# KiCad board MasterController.kicad_pcb (continued)
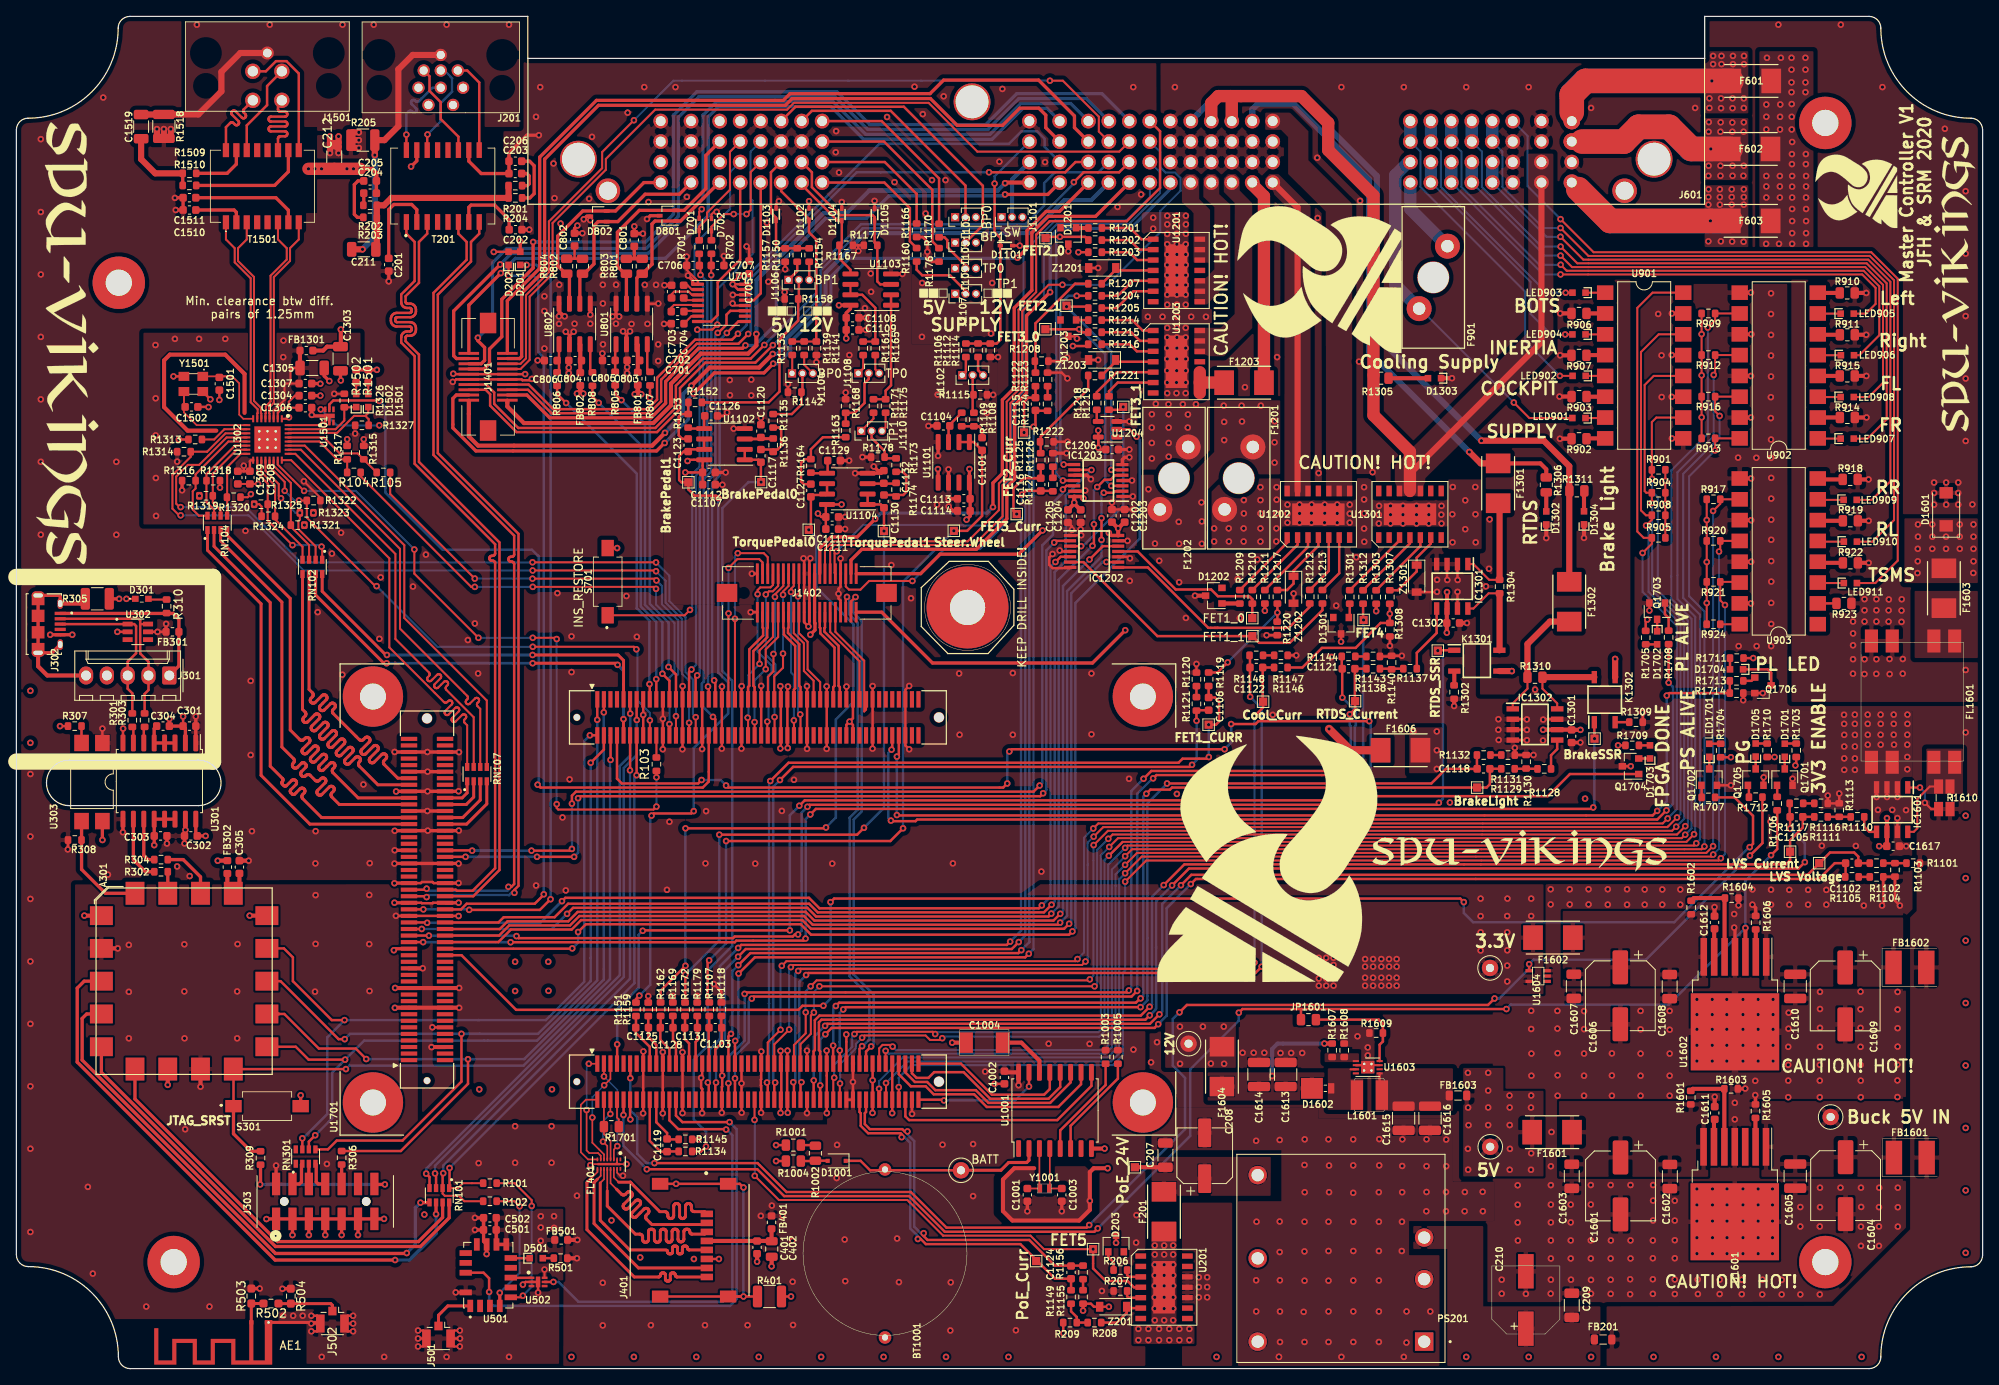
[diagram p0: board, top side]
## Footprints (pads in the part's own frame, mm; a bottom-side part is the same pattern mirrored in y, then rotated) (continued)
Wurth_7490120110
  rect 0.64x1.91 smd: 1(-4.445,-4.385) 2(-3.175,-4.385) 3(-1.905,-4.385) 4(-0.635,-4.385) 5(0.635,-4.385) 6(1.905,-4.385) 7(3.175,-4.385) 8(4.445,-4.385) 9(4.445,4.385) 10(3.175,4.385) 11(1.905,4.385) 12(0.635,4.385) 13(-0.635,4.385) 14(-1.905,4.385) 15(-3.175,4.385) 16(-4.445,4.385)
Wurth_78279223560
  rect 2x4.1 smd: 1(-2,0) 2(2,0)
Wurth_LQS_4018
  rect 1.5x3.6 smd: 1(-1.525,0) 2(1.525,0)
Wurth_WR-WTB_61900519521_1x05_P2.54mm_Vertical
  rrect 1.74x2.2 hole 1.2: 1(0,0)
  oval 1.74x2.2 hole 1.2: 2(2.54,0) 3(5.08,0) 4(7.62,0) 5(10.16,0)

## Nets
+3V3: A301.2 A301.8 C302.2 C303.2 C705.2 C1002.2 C1107.1 C1108.1 C1109.1 C1110.1 C1111.1 C1112.2 C1113.1 C1114.1 C1202.2 C1203.2 C1204.2 C1205.2 C1206.2 C1303.2 D201.2 D202.2 F1602.2 FB302.2 FB401.1 FB501.1 FB801.1 FB802.1 FB1301.1 FL401.15 IC1202.14 IC1203.14 J303.2 J1401.9 J1401.10 R207.2 R501.1 R901.1 R904.1 R905.1 R908.1 R909.1 R912.1 R913.1 R916.1 R917.1 R920.1 R921.1 R924.1 R1003.2 R1005.1 R1203.2 R1211.2 R1216.2 R1303.2 R1501.1 R1502.2 R1703.1 R1704.1 R1705.1 R1710.1 R1711.1 S701.2 TP1603.1 U301.12 U301.13 U301.14 U301.16 U303.4 U701.15 U701.16 U1001.16 U1101.5 U1101.8 U1102.8 U1103.8 U1104.8 U1204.5 U1501.6 U1604.5 U1701.JX1.78 U1701.JX1.79 U1701.JX1.80 U1701.JX2.78 U1701.JX2.79 U1701.JX2.80 U1701.JX2.98 U1701.JX3.45 U1701.JX3.46
+5V: C1301.1 C1302.1 C1617.2 F1601.2 F1606.1 FB1603.1 IC1301.6 IC1302.6 IC1601.6 J1402.23 J1402.24 R1001.1 R1709.1 TP1602.1 U1701.JX1.57 U1701.JX1.58 U1701.JX1.59 U1701.JX1.60 U1701.JX2.12 U1701.JX2.57 U1701.JX2.58 U1701.JX2.59 U1701.JX2.60
+5V_Sensor: F1606.2 J601.3-E4 J1101.1 J1103.1 J1105.1 J1107.1 J1109.1
+12V: F1604.2 J1101.3 J1103.3 J1105.3 J1107.3 J1109.3 J1402.39 J1402.40 TP1604.1
+24V: F201.2 U201.Cool.Tab
/Bluetooth/3V3_BT: C501.1 C502.2 FB501.2 U501.10 U501.11 U502.6
/Driverless/VDDA: C1305.2 C1307.1 C1308.1 C1309.1 FB1301.2 R1314.1 R1316.1 R1322.1 R1326.1 R1327.1 U1302.3 U1302.17
/JTAG_UART Module/VBUS_DETECT: A301.18 R308.1 U303.3
/Liveview/24V_PoE: C204.1 C205.1 C212.1 J201.1 J201.7 T201.15 U201.10 U201.11 U201.12
/Liveview/Vin_24V_PoE: C209.1 C210.1 FB201.1 PS201.3
/PowerSupply/3V3_EN: JP1601.1 R1706.2 U1602.3 U1701.JX2.10
GND: A301.1 A301.7 A301.14 AE1.2 BT1001.2 C201.1 C202.1 C203.1 C206.1 C207.2 C208.2 C209.2 C210.2 C212.2 C302.1 C303.1 C305.2 C401.2 C402.2 C501.2 C502.1 C701.2 C703.2 C705.1 C706.2 C707.2 C801.2 C802.2 C803.2 C804.2 C805.1 C806.1 C1001.2 C1002.1 C1003.1 C1004.2 C1104.2 C1107.2 C1108.2 C1109.2 C1110.2 C1111.2 C1112.1 C1113.2 C1114.2 C1120.2 C1126.2 C1129.2 C1132.2 C1202.1 C1203.1 C1204.1 C1205.1 C1206.1 C1301.2 C1302.2 C1303.1 C1304.1 C1305.1 C1306.1 C1307.2 C1308.2 C1309.2 C1501.2 C1502.2 C1510.2 C1511.2 C1601.2 C1602.2 C1603.2 C1604.2 C1605.2 C1606.2 C1607.2 C1608.2 C1609.2 C1610.2 C1611.2 C1612.2 C1613.2 C1614.2 C1615.2 C1616.2 C1617.1 D203.3 D701.2 D702.2 D801.3 D802.3 D1101.2 D1102.2 D1103.2 D1104.2 D1105.2 D1201.3 D1202.3 D1203.3 D1301.3 FL401.2 FL401.17 FL1601.6 FL1601.7 IC1202.1 IC1202.4 IC1202.7 IC1202.10 IC1202.13 IC1203.1 IC1203.4 IC1203.7 IC1203.10 IC1203.13 IC1301.2 IC1301.3 IC1301.4 IC1301.7 IC1302.2 IC1302.3 IC1302.4 IC1302.7 IC1601.2 IC1601.3 IC1601.4 IC1601.7 J201.2 J201.3 J303.1 J303.3 J303.5 J303.7 J303.9 J303.11 J303.13 J401.6 J501.2 J502.2 J601.2-M4 J601.3-B3 J601.3-C3 J601.3-D4 J601.3-G3 J601.3-G4 J601.3-H3 J601.3-H4 J1401.11 J1401.12 J1402.1 J1402.2 J1402.19 J1402.20 J1402.21 J1402.22 J1402.33 J1402.34 PS201.2 PS201.6 Q1701.2 Q1702.2 Q1703.2 Q1704.3 Q1705.2 Q1706.2 R205.2 R209.2 R308.2 R401.1 R503.2 R504.2 R1004.1 R1103.1 R1104.2 R1113.1 R1114.1 R1115.1 R1116.2 R1118.2 R1120.2 R1123.2 R1126.2 R1130.1 R1131.2 R1140.1 R1141.1 R1142.1 R1143.2 R1145.2 R1147.2 R1155.2 R1157.1 R1158.1 R1159.2 R1166.2 R1167.1 R1168.1 R1169.2 R1176.2 R1177.1 R1178.1 R1179.2 R1208.2 R1220.2 R1222.2 R1302.2 R1308.2 R1309.2 R1313.2 R1315.1 R1317.1 R1318.1 R1319.1 R1320.1 R1321.1 R1323.1 R1324.1 R1325.1 R1518.1 R1603.2 R1604.2 R1605.2 R1606.2 R1608.2 R1609.2 R1714.1 S301.2 T201.10 U301.9 U301.15 U501.12 U501.17 U502.2 U502.7 U701.1 U701.12 U701.14 U801.2 U801.5 U801.8 U802.2 U802.5 U802.8 U901.9 U901.11 U901.13 U901.15 U902.9 U902.11 U902.13 U902.15 U903.9 U903.11 U903.13 U903.15 U1001.8 U1101.4 U1101.6 U1102.4 U1103.4 U1104.4 U1204.3 U1302.1 U1302.33 U1501.2 U1501.7 U1601.4 U1601.8 U1602.4 U1602.8 U1603.2 U1603.7 U1603.9 U1604.2 U1604.3 U1701.JX1.15 U1701.JX1.16 U1701.JX1.21 U1701.JX1.22 U1701.JX1.27 U1701.JX1.28 U1701.JX1.33 U1701.JX1.34 U1701.JX1.39 U1701.JX1.40 U1701.JX1.45 U1701.JX1.46 U1701.JX1.51 U1701.JX1.52 U1701.JX1.65 U1701.JX1.66 U1701.JX1.71 U1701.JX1.72 U1701.JX1.77 U1701.JX1.85 U1701.JX1.86 U1701.JX1.95 U1701.JX1.96 U1701.JX2.15 U1701.JX2.16 U1701.JX2.21 U1701.JX2.22 U1701.JX2.27 U1701.JX2.28 U1701.JX2.33 U1701.JX2.34 U1701.JX2.39 U1701.JX2.40 U1701.JX2.45 U1701.JX2.46 U1701.JX2.51 U1701.JX2.52 U1701.JX2.65 U1701.JX2.66 U1701.JX2.71 U1701.JX2.72 U1701.JX2.77 U1701.JX2.85 U1701.JX2.86 U1701.JX2.91 U1701.JX2.92 U1701.JX3.6 U1701.JX3.12 U1701.JX3.17 U1701.JX3.18 U1701.JX3.23 U1701.JX3.24 U1701.JX3.29 U1701.JX3.35 U1701.JX3.49 U1701.JX3.50 U1701.JX3.55 U1701.JX3.56 U1701.JX3.61 U1701.JX3.62 U1701.JX3.65 U1701.JX3.71 U1701.JX3.72 U1701.JX3.77 U1701.JX3.78 U1701.JX3.83 U1701.JX3.84 U1701.JX3.89 U1701.JX3.90 U1701.JX3.95 U1701.JX3.96 Y1501.2 Y1501.4 Z201.2 Z1201.2 Z1202.2 Z1203.2 Z1301.2
GND-1: C1519.2 J1501.5 R1518.2
GND-2: C211.2 J201.9 R205.1
GND-3: J301.5 J302.S1 R305.2
GND-4: J401.S R401.2
GND-LV_Unfiltered: D1302.1 D1303.1 D1304.1 D1601.2 FL1601.4 FL1601.5 J601.1-F2 J601.1-F3 J601.1-F4 J601.1-G1 J601.1-G2 J601.1-H3 J601.2-A2 J601.2-A3 J601.2-B2 J601.2-B3 J601.2-C2 J601.2-C3 J601.2-D2 J601.2-D3 J601.2-E2 J601.2-E3 J601.2-F2 J601.2-F3 J601.2-F4 R902.2 R903.2 R906.2 R907.2 R910.2 R911.2 R914.2 R915.2 R918.2 R919.2 R922.2 R923.2
GND-USB: C301.2 C304.2 D301.1 J301.4 J302.5 R305.1 R307.1 U301.2 U301.8 U302.2
VBUS: C301.1 FB301.2 U301.1 U302.5 U303.1
+BATT: BT1001.1 D1001.1 TP1001.1 U1001.2
/Actuator/Cool_V_Out: J601.1-G3 J601.1-G4 J601.2-C4 J601.2-D4 R1305.1 U1301.10 U1301.11 U1301.12
/Bluetooth/BT_CONN: J502.1 R502.1 R504.1
/Bluetooth/BT_IFA: AE1.1 R502.2 R503.1
/Bluetooth/RXD: R101.2 U501.5
/Bluetooth/TXD: R102.2 U501.4
/Brake_V: IC1302.5 R1128.2
/CAN_Interface/CAN0_D: R806.1 U1701.JX1.17
/CAN_Interface/CAN0_H: D802.2 J601.3-H1 J601.3-H2 R804.1 U802.7
/CAN_Interface/CAN0_L: D802.1 J601.3-G1 J601.3-G2 R802.1 U802.6
/CAN_Interface/CAN0_R: R808.2 U1701.JX1.19
/CAN_Interface/CAN1_D: R805.1 U1701.JX1.23
/CAN_Interface/CAN1_H: D801.2 J601.3-F3 J601.3-F4 R803.1 U801.7
/CAN_Interface/CAN1_L: D801.1 J601.3-F1 J601.3-F2 R801.1 U801.6
/CAN_Interface/CAN1_R: R807.2 U1701.JX1.25
/CMC/AMS_Supply: J601.2-A1 U1202.12 U1202.13 U1202.14
/CMC/BP0_Sig: D1102.1 J601.3-C1 R1133.2 R1139.2 R1141.2
/CMC/BP0_Supply: J601.3-B4 J1103.2
/CMC/BP1_Sig: D1103.1 J601.3-C2 R1150.2 R1154.2 R1157.2
/CMC/BP1_Supply: J601.3-C4 J1105.2
/CMC/BrakeLight_Supply: F1302.1 J601.2-E4 R1311.1
/CMC/INS_RESTORE: J601.3-D3 S701.1
/CMC/INS_RS232RX: J601.3-E1 U701.8
/CMC/INS_RS232TX: J601.3-D1 U701.13
/CMC/INS_SYNC_I: J601.3-E2 U1701.JX1.29
/CMC/INS_SYNC_O: D701.1 J601.3-E3 R701.2
/CMC/INV12_Supply: J601.2-E1 U1201.12 U1201.13 U1201.14
/CMC/INV34_Supply: J601.2-C1 U1203.12 U1203.13 U1203.14
/CMC/RTDS_Supply: F1301.1 J601.2-B4 R1306.1
/CMC/SC0_I: F901.1 J601.1-A4
/CMC/SC1_I: J601.1-A1 J601.1-A2 LED902.2
/CMC/SC1_O: F901.2 J601.1-A3 LED901.2
/CMC/SC2_I: J601.1-B1 J601.1-B2 LED903.2
/CMC/SC3_I: J601.1-B3 J601.1-B4 LED904.2
/CMC/SC4_I: J601.1-C3 J601.1-C4 LED905.2
/CMC/SC5_I: J601.1-C1 J601.1-C2 LED906.2
/CMC/SC6_I: J601.1-D1 J601.1-D2 LED907.2
/CMC/SC7_I: J601.1-D3 J601.1-D4 LED908.2
/CMC/SC8_I: J601.1-E3 J601.1-E4 LED909.2
/CMC/SC10_I: J601.1-F1 LED911.2
/CMC/SC10_O: J601.1-E1 J601.1-E2 LED910.2
/CMC/SW_Sig: D1101.1 J601.2-M3 R1106.2 R1112.2 R1114.2
/CMC/SW_Supply: J601.2-M2 J1101.2
/CMC/TP0_Ground: J601.3-A2 R1166.1
/CMC/TP0_Sig: D1104.1 J601.3-B1 R1167.2 U1103.5
/CMC/TP0_Supply: J601.3-A1 R1160.1
/CMC/TP1_Ground: J601.3-A3 R1176.1
/CMC/TP1_Sig: D1105.1 J601.3-B2 R1177.2 U1103.3
/CMC/TP1_Supply: J601.3-A4 R1170.1
/CMC/TSC_Supply: J601.2-D1 U1201.8 U1201.9 U1201.10
/CMC_EXP1: J601.2-L4 J1401.1
/CMC_EXP2: J601.2-K3 J1401.2
/CMC_EXP3: J601.2-K4 J1401.3
/CMC_EXP4: J601.2-L3 J1401.4
/CMC_EXP5: J601.2-J4 J1401.5
/CMC_EXP6: J601.2-J3 J1401.6
/CMC_EXP7: J601.2-H4 J1401.7
/CMC_EXP8: J601.2-H3 J1401.8
/CMC_EXP9: J601.2-J2 J1401.13
/CMC_EXP10: J601.2-L2 J1401.14
/CMC_EXP11: J601.2-H2 J1401.15
/CMC_EXP12: J601.2-K2 J1401.16
/CMC_EXP13: J601.2-K1 J1401.17
/CMC_EXP14: J601.2-L1 J1401.18
/CMC_EXP15: J601.2-J1 J1401.19
/CMC_EXP16: J601.2-M1 J1401.20
/CMC_EXP17: J601.2-H1 J1402.26
/CMC_EXP18: J601.2-G4 J1402.28
/CMC_EXP19: J601.2-G3 J1402.30
/CMC_EXP20: J601.2-G1 J1402.32
/CMC_EXP21: J601.2-G2 J1402.36
/CMC_EXP22: J601.2-F1 J1402.38
/Cool_V: R1146.2 R1307.2 R1308.1
/Driverless/COL: R104.1 R1317.2 U1302.28
/Driverless/CRS: R105.1 R1315.2 U1302.29
/Driverless/ETH1_RX+: J1501.2 T1501.16
/Driverless/ETH1_RX-: J1501.4 T1501.14
/Driverless/ETH1_TX+: J1501.1 T1501.11
/Driverless/ETH1_TX-: J1501.3 T1501.9
/Driverless/LED1: D1501.1 R1327.2 U1302.30
/Driverless/LED2: D1502.1 R1326.2 U1302.31
/Driverless/RST: U1302.32 U1501.1
/Driverless/RX_CLK: R1324.2 RN102.4 U1302.19
/Driverless/RX_DV: R1325.2 RN102.1 U1302.18
/Driverless/RX_ER: R1323.2 RN102.2 U1302.20
/Driverless/RXD0: R1320.2 RN104.5 U1302.16
/Driverless/RXD1: R1319.2 RN104.6 U1302.15
/Driverless/RXD2: R1318.2 RN104.7 U1302.14
/Driverless/RXD3: R1316.2 RN104.8 U1302.13
/Driverless/RXN: T1501.3 U1302.6
/Driverless/RXP: T1501.1 U1302.7
/Driverless/TX_CLK: R1321.2 RN102.3 U1302.22
/Driverless/TX_EN: R103.1 U1302.23
/Driverless/TXD0: RN107.8 U1302.24
/Driverless/TXD1: RN107.7 U1302.25
/Driverless/TXD2: RN107.6 U1302.26
/Driverless/TXD3: RN107.5 U1302.27
/Driverless/TXN: T1501.8 U1302.4
/Driverless/TXP: T1501.6 U1302.5
/Driverless/XI: C1502.1 U1302.9 Y1501.3
/Driverless/XO: C1501.1 U1302.8 Y1501.1
/EEPROM/SCK_NVSRAM: U1001.11 U1701.JX2.95
/EEPROM/SI_NVSRAM: U1001.12 U1701.JX2.97
/EEPROM/SO_NVSRAM: U1001.13 U1701.JX2.99
/INS/GPS_PPS: D702.1 J601.3-D2 R702.2
/JTAG_UART Module/D+: J301.3 J302.3 R301.2 U302.1
/JTAG_UART Module/D-: J301.2 J302.2 R303.2 U302.6
/JTAG_UART Module/DD+: R302.2 U301.10
/JTAG_UART Module/DD-: R304.2 U301.11
/JTAG_UART Module/JTAG_SRST: A301.9 R309.1 S301.1 U1701.JX1.6
/JTAG_UART Module/JTAG_TCK: A301.10 RN301.6 U1701.JX1.1
/JTAG_UART Module/JTAG_TDI: A301.12 RN301.5 U1701.JX1.4
/JTAG_UART Module/JTAG_TDO: A301.11 R306.2 U1701.JX1.3
/JTAG_UART Module/JTAG_TMS: A301.13 RN301.7 U1701.JX1.2
/JTAG_UART Module/UART_CTS: A301.3 RN101.6
/JTAG_UART Module/UART_RTS: A301.4 RN101.5
/JTAG_UART Module/UART_RXD: A301.5 RN101.8
/JTAG_UART Module/UART_TXD: A301.6 RN101.7
/JTAG_UART Module/UD+: R301.1 U301.7
/JTAG_UART Module/UD-: R303.1 U301.6
/JTAG_UART Module/USB_D_N: A301.16 R304.1
/JTAG_UART Module/USB_D_P: A301.17 R302.1
/JTAG_UART Module/VB: FB301.1 J301.1 J302.1 R310.1
/Liveview/ETH0_RX_N: J201.8 T201.16
/Liveview/ETH0_RX_P: J201.5 T201.14
/Liveview/ETH0_TX_N: J201.4 T201.11
/Liveview/ETH0_TX_P: J201.6 T201.9
/Liveview/Vo_24V_PoE: C207.1 C208.1 F201.1 PS201.4 TP201.1
/LVSC_V: IC1601.5 R1110.2
/PicoZed/AMS_FET_In: IC1202.5 U1701.JX3.43
/PicoZed/Brake_SSR_In: K1302.1 TP1303.1 U1701.JX3.37
/PicoZed/BT_ConfigSel: U501.16 U1701.JX2.26
/PicoZed/BT_Reset: U502.5 U1701.JX2.24
/PicoZed/Cool_FET_In: R1312.2 TP1302.1 U1701.JX2.7
/PicoZed/DASH_AMS_SEL: IC1202.9 U1701.JX3.38
/PicoZed/Dash_FET_In: IC1202.12 U1701.JX3.42
/PicoZed/ETH0_PHY_LED0: D201.1 U1701.JX3.47
/PicoZed/ETH0_PHY_LED1: D202.1 U1701.JX3.48
/PicoZed/ETH0_PHY_MD1N: T201.6 U1701.JX3.53
/PicoZed/ETH0_PHY_MD1P: T201.8 U1701.JX3.51
/PicoZed/ETH0_PHY_MD2N: T201.1 U1701.JX3.54
/PicoZed/ETH0_PHY_MD2P: T201.3 U1701.JX3.52
/PicoZed/ETH1_COL: R104.2 U1701.JX1.24
/PicoZed/ETH1_CRS: R105.2 U1701.JX1.26
/PicoZed/ETH1_INT: R1322.2 U1302.21 U1701.JX1.18
/PicoZed/ETH1_MDC: U1302.12 U1701.JX1.32
/PicoZed/ETH1_MDIO: R1314.2 U1302.11 U1701.JX1.30
/PicoZed/ETH1_PHY_RST: U1501.5 U1701.JX1.36
/PicoZed/ETH1_RX_CLK: RN102.5 U1701.JX3.85
/PicoZed/ETH1_RX_DV: RN102.8 U1701.JX1.9
/PicoZed/ETH1_RX_ER: RN102.7 U1701.JX1.10
/PicoZed/ETH1_RXD0: RN104.4 U1701.JX3.81
/PicoZed/ETH1_RXD1: RN104.3 U1701.JX3.79
/PicoZed/ETH1_RXD2: RN104.2 U1701.JX3.75
/PicoZed/ETH1_RXD3: RN104.1 U1701.JX3.73
/PicoZed/ETH1_TX_CLK: RN102.6 U1701.JX3.87
/PicoZed/ETH1_TX_EN: R103.2 U1701.JX1.20
/PicoZed/ETH1_TXD0: RN107.1 U1701.JX3.82
/PicoZed/ETH1_TXD1: RN107.2 U1701.JX3.80
/PicoZed/ETH1_TXD2: RN107.3 U1701.JX3.76
/PicoZed/ETH1_TXD3: RN107.4 U1701.JX3.74
/PicoZed/FPGA_DONE: Q1704.1 U1701.JX1.8
/PicoZed/INS_PPS: C707.1 R702.1 U1701.JX1.38
/PicoZed/INS_SYNC_O: C706.1 R701.1 U1701.JX1.31
/PicoZed/INV12_FET_In: IC1203.5 U1701.JX3.41
/PicoZed/INV34_FET_In: IC1203.2 U1701.JX3.40
/PicoZed/NVSRAM_HSB: U1001.9 U1701.JX2.96
/PicoZed/NVSRAM_INT: U1001.15 U1701.JX2.100
/PicoZed/PL_ALIVE: R1708.2 U1701.JX1.92
/PicoZed/PL_LED: R1713.2 R1714.2 U1701.JX1.94
/PicoZed/PoE_FET_In: TP202.1 U201.4 U1701.JX2.50
/PicoZed/PS_ALIVE: R1707.2 U1701.JX3.34
/PicoZed/RTDS_SSR_In: K1301.1 TP1301.1 U1701.JX3.39
/PicoZed/SNET_FET_In: IC1202.2 U1701.JX3.64
/PicoZed/SNET_INV34_SEL: U1204.2 U1701.JX3.36
/PicoZed/SPI0_CS0: U1001.10 U1701.JX2.93
/PicoZed/TSC_FET_In: IC1203.12 U1701.JX3.66
/PicoZed/TSC_INV12_SEL: IC1203.9 U1701.JX3.44
/PicoZed/UART0_CTS: RN101.4 U1701.JX1.11
/PicoZed/UART0_RTS: RN101.3 U1701.JX1.13
/PicoZed/UART0_RXD: R102.1 RN101.2 U1701.JX1.12
/PicoZed/UART0_TXD: R101.1 RN101.1 U1701.JX1.14
/PicoZed/UART1_RXD: U701.9 U1701.JX1.37
/PicoZed/UART1_TXD: U701.11 U1701.JX1.35
/PicoZed/XADC_AUX0_N: C1125.2 R1159.1 U1701.JX2.19
/PicoZed/XADC_AUX0_P: C1125.1 R1151.1 U1701.JX2.17
/PicoZed/XADC_AUX1_N: C1128.2 R1169.1 U1701.JX2.25
/PicoZed/XADC_AUX1_P: C1128.1 R1162.1 U1701.JX2.23
/PicoZed/XADC_AUX2_N: C1116.2 R1127.1 U1701.JX2.38
/PicoZed/XADC_AUX2_P: C1116.1 R1125.1 TP1106.1 U1701.JX2.36
/PicoZed/XADC_AUX3_N: C1103.2 R1118.1 U1701.JX2.37
/PicoZed/XADC_AUX3_P: C1103.1 R1107.1 U1701.JX2.35
/PicoZed/XADC_AUX4_N: C1106.2 R1121.1 U1701.JX2.56
/PicoZed/XADC_AUX4_P: C1106.1 R1119.1 TP1104.1 U1701.JX2.54
/PicoZed/XADC_AUX5_N: C1102.2 R1105.1 U1701.JX2.70
/PicoZed/XADC_AUX5_P: C1102.1 R1102.1 TP1101.1 U1701.JX2.68
/PicoZed/XADC_AUX6_N: C1118.2 R1132.1 U1701.JX2.75
/PicoZed/XADC_AUX6_P: C1118.1 R1129.1 TP1107.1 U1701.JX2.73
/PicoZed/XADC_AUX7_N: C1124.2 R1156.1 U1701.JX2.84
/PicoZed/XADC_AUX7_P: C1124.1 R1149.1 TP1111.1 U1701.JX2.82
/PicoZed/XADC_AUX8_N: C1119.2 R1145.1 U1701.JX2.20
/PicoZed/XADC_AUX8_P: C1119.1 R1134.1 U1701.JX2.18
/PicoZed/XADC_AUX9_N: C1131.2 R1179.1 U1701.JX2.31
/PicoZed/XADC_AUX9_P: C1131.1 R1172.1 U1701.JX2.29
/PicoZed/XADC_AUX10_N: C1115.2 R1124.1 U1701.JX2.43
/PicoZed/XADC_AUX10_P: C1115.1 R1122.1 TP1105.1 U1701.JX2.41
/PicoZed/XADC_AUX11_N: C1121.2 R1144.1 U1701.JX2.44
/PicoZed/XADC_AUX11_P: C1121.1 R1138.1 TP1109.1 U1701.JX2.42
/PicoZed/XADC_AUX12_N: C1122.2 R1148.1 U1701.JX2.64
/PicoZed/XADC_AUX12_P: C1122.1 R1146.1 TP1110.1 U1701.JX2.62
/PicoZed/XADC_AUX13_N: C1105.2 R1117.1 U1701.JX2.69
/PicoZed/XADC_AUX13_P: C1105.1 R1111.1 TP1103.1 U1701.JX2.67
/PicoZed/~{SC_BOTS}: R905.2 U901.16 U1701.JX2.53
/PicoZed/~{SC_Cockpit}: R904.2 U901.12 U1701.JX2.61
/PicoZed/~{SC_FL}: R916.2 U902.14 U1701.JX2.87
/PicoZed/~{SC_FR}: R913.2 U902.16 U1701.JX2.89
/PicoZed/~{SC_Inertia}: R908.2 U901.14 U1701.JX2.55
/PicoZed/~{SC_Left}: R909.2 U902.10 U1701.JX2.74
/PL_1N: J1402.5 U1701.JX1.49
/PL_1P: J1402.3 U1701.JX1.47
/PL_2: J1402.7 U1701.JX1.48
/PL_3: J1402.9 U1701.JX1.50
/PL_4N: J1402.13 U1701.JX1.63
/PL_4P: J1402.11 U1701.JX1.61
/PL_5: J1402.15 U1701.JX1.67
/PL_6: J1402.17 U1701.JX1.69
/PL_7N: J1402.27 U1701.JX1.75
/PL_7P: J1402.25 U1701.JX1.73
/PL_8: J1402.29 U1701.JX1.81
/PL_9: J1402.31 U1701.JX1.83
/PL_10N: J1402.37 U1701.JX2.83
/PL_10P: J1402.35 U1701.JX2.81
/PL_11: J1402.4 U1701.JX1.41
/PL_12: J1402.6 U1701.JX1.43
/PL_13: J1402.8 U1701.JX1.54
/PL_14: J1402.10 U1701.JX1.56
/PL_15: J1402.12 U1701.JX1.53
/PL_16: J1402.14 U1701.JX1.55
/PL_17: J1402.16 U1701.JX1.62
/PL_18: J1402.18 U1701.JX1.64
/PoE_V: R208.2 R209.1 R1149.2
/PowerDistribution/Dash_V_Out: J601.2-A4 U1202.8 U1202.9 U1202.10
/PowerDistribution/DashAMSC_V: R1119.2 R1217.2 R1220.1
/PowerDistribution/FET1DSEL: IC1202.8 R1212.2
/PowerDistribution/FET1IN0: IC1202.11 R1210.2 TP1203.1
/PowerDistribution/FET1IN1: IC1202.6 R1213.2 TP1204.1
/PowerDistribution/FET2DSEL: IC1203.8 R1204.2
/PowerDistribution/FET2IN0: IC1203.11 R1202.2 TP1201.1
/PowerDistribution/FET2IN1: IC1203.6 R1205.2 TP1202.1
/PowerDistribution/FET3DSEL: R1218.2 U1204.4
/PowerDistribution/FET3IN0: IC1203.3 R1215.2 TP1205.1
/PowerDistribution/FET3IN1: IC1202.3 R1219.2 TP1206.1
/PowerDistribution/NetINV34C_V: R1125.2 R1221.2 R1222.1
/PowerDistribution/SNet_V_Out: F1203.2 J601.2-B1
/PowerDistribution/TSCINV12C_V: R1122.2 R1207.2 R1208.1
/PowerSupply/Boost_12V_in: C1615.1 C1616.1 FB1603.2 L1601.1 U1603.5
/PowerSupply/Boost_12V_out: C1613.1 C1614.1 D1602.1 F1604.1 R1607.1
/PowerSupply/Boost_SW: D1602.2 L1601.2 U1603.3
/PowerSupply/Buck_3V3_in: C1609.1 C1610.1 FB1602.1 U1602.1
/PowerSupply/Buck_3V3_out: C1606.1 C1607.1 C1608.1 F1602.1 R1602.1 U1602.7
/PowerSupply/Buck_5V_in: C1604.1 C1605.1 FB1601.1 TP1601.1 U1601.1
/PowerSupply/Buck_5V_out: C1601.1 C1602.1 C1603.1 F1601.1 R1601.1 U1601.7
/PowerSupply/CHOKE_IN: F1603.2 FL1601.1 FL1601.2
/PowerSupply/PG_MODULE: R1712.2 U1604.4 U1701.JX2.11
/RTDS_V: IC1301.5 R1137.2
/SC_monitoring/~{SC_Mon_Right}: R912.2 U902.12 U1701.JX2.76
/SC_monitoring/~{SC_Mon_RL}: R920.2 U903.12 U1701.JX2.90
/SC_monitoring/~{SC_Mon_RR}: R917.2 U903.10 U1701.JX2.88
/SC_monitoring/~{SC_Mon_Supply}: R901.2 U901.10 U1701.JX2.63
/SC_monitoring/~{SC_Mon_TSMS}: R921.2 U903.14 U1701.JX2.94
/Storage/CD_DATA3: FL401.4 R1701.1 U1701.JX2.4
/Storage/CLK: FL401.6 U1701.JX2.5
/Storage/CMD: FL401.5 U1701.JX2.6
/Storage/DATA0: FL401.7 U1701.JX2.1
/Storage/DATA1: FL401.8 U1701.JX2.2
/Storage/DATA2: FL401.3 U1701.JX2.3
CHOKE_OUT: FL1601.9 FL1601.10 IC1601.8 R1610.3 R1610.4
LV: FB201.2 FB1601.2 FB1602.2 IC1601.1 R1101.2 R1610.1 R1610.2
LV_Fused_10A: F1201.1 U1202.Cool.Tab U1301.Cool.Tab
LV_Fused_15A: F1202.1 U1201.Cool.Tab U1203.Cool.Tab
LV_Unfiltered: D1601.1 F601.1 F602.1 F603.1 F1201.2 F1202.2 F1603.1 K1301.3 K1302.3
Net-(A301-Pad15): A301.15 C305.1 FB302.1
Net-(C201-Pad2): C201.2 T201.2
Net-(C202-Pad2): C202.2 T201.7
Net-(C203-Pad2): C203.2 R201.1
Net-(C204-Pad2): C204.2 R202.1
Net-(C205-Pad2): C205.2 R203.1
Net-(C206-Pad2): C206.2 R204.1
Net-(C211-Pad1): C211.1 R201.2 R202.2 R203.2 R204.2
Net-(C304-Pad1): C304.1 U301.3 U301.4 U301.5
Net-(C401-Pad1): C401.1 C402.1 FB401.2 J401.4
Net-(C701-Pad1): C701.1 U701.7
Net-(C702-Pad1): C702.1 U701.6
Net-(C702-Pad2): C702.2 U701.5
Net-(C703-Pad1): C703.1 U701.3
Net-(C704-Pad1): C704.1 U701.4
Net-(C704-Pad2): C704.2 U701.2
Net-(C801-Pad1): C801.1 R801.2 R803.2
Net-(C802-Pad1): C802.1 R802.2 R804.2
Net-(C803-Pad1): C803.1 FB801.2 U801.3
Net-(C804-Pad1): C804.1 FB802.2 U802.3
Net-(C805-Pad2): C805.2 R805.2 U801.1
Net-(C806-Pad2): C806.2 R806.2 U802.1
Net-(C1001-Pad1): C1001.1 U1001.3 Y1001.1
Net-(C1003-Pad2): C1003.2 U1001.4 Y1001.2
Net-(C1004-Pad1): C1004.1 U1001.14
Net-(C1101-Pad1): C1101.1 R1107.2 TP1102.1 U1101.1 U1101.2
Net-(C1101-Pad2): C1101.2 R1108.1 R1109.2
Net-(C1104-Pad1): C1104.1 R1109.1 U1101.3
Net-(C1117-Pad1): C1117.1 R1134.2 TP1108.1 U1102.1 U1102.2
Net-(C1117-Pad2): C1117.2 R1135.1 R1136.2
Net-(C1120-Pad1): C1120.1 R1136.1 U1102.3
Net-(C1123-Pad1): C1123.1 R1151.2 TP1112.1 U1102.6 U1102.7
Net-(C1123-Pad2): C1123.2 R1152.1 R1153.2
Net-(C1126-Pad1): C1126.1 R1153.1 U1102.5
Net-(C1127-Pad1): C1127.1 R1162.2 TP1113.1 U1104.6 U1104.7
Net-(C1127-Pad2): C1127.2 R1163.1 R1164.2
Net-(C1129-Pad1): C1129.1 R1164.1 U1104.5
Net-(C1130-Pad1): C1130.1 R1172.2 TP1114.1 U1104.1 U1104.2
Net-(C1130-Pad2): C1130.2 R1173.1 R1174.2
Net-(C1132-Pad1): C1132.1 R1174.1 U1104.3
Net-(C1304-Pad2): C1304.2 C1306.2 U1302.2
Net-(C1510-Pad1): C1510.1 T1501.2
Net-(C1511-Pad1): C1511.1 T1501.7
Net-(C1519-Pad1): C1519.1 R1509.2 R1510.2
Net-(C1611-Pad1): C1611.1 U1601.6
Net-(C1612-Pad1): C1612.1 U1602.6
Net-(D203-Pad1): D203.1 R206.2
Net-(D203-Pad2): D203.2
Net-(D301-Pad2): D301.2 R310.2
Net-(D501-Pad1): D501.1 U501.9
Net-(D501-Pad2): D501.2 R501.2
Net-(D1001-Pad2): D1001.2 R1002.1 R1004.2
Net-(D1201-Pad1): D1201.1 R1201.2
Net-(D1201-Pad2): D1201.2
Net-(D1202-Pad1): D1202.1 R1209.2
Net-(D1202-Pad2): D1202.2
Net-(D1203-Pad1): D1203.1 R1214.2
Net-(D1203-Pad2): D1203.2
Net-(D1301-Pad1): D1301.1 R1301.2
Net-(D1301-Pad2): D1301.2
Net-(D1302-Pad2): D1302.2 R1306.2
Net-(D1303-Pad2): D1303.2 R1305.2
Net-(D1304-Pad2): D1304.2 R1311.2
Net-(D1501-Pad2): D1501.2 R1502.1
Net-(D1502-Pad2): D1502.2 R1501.2
Net-(D1701-Pad1): D1701.1 Q1701.3
Net-(D1701-Pad2): D1701.2 R1703.2
Net-(D1702-Pad1): D1702.1 Q1703.3
Net-(D1702-Pad2): D1702.2 R1705.2
Net-(D1703-Pad1): D1703.1 Q1704.2
Net-(D1703-Pad2): D1703.2 R1709.2
Net-(D1704-Pad1): D1704.1 Q1706.3
Net-(D1704-Pad2): D1704.2 R1711.2
Net-(D1705-Pad1): D1705.1 Q1705.3
Net-(D1705-Pad2): D1705.2 R1710.2
Net-(F601-Pad2): F601.2 J601.1-H1
Net-(F602-Pad2): F602.2 J601.1-H2
Net-(F603-Pad2): F603.2 J601.1-H4
Net-(F1203-Pad1): F1203.1 U1203.8 U1203.9 U1203.10
Net-(F1301-Pad2): F1301.2 IC1301.1 R1304.2
Net-(F1302-Pad2): F1302.2 IC1302.1 R1310.2
Net-(FL401-Pad1): FL401.1
Net-(FL401-Pad9): FL401.9 J401.8
Net-(FL401-Pad10): FL401.10 J401.7
Net-(FL401-Pad11): FL401.11 J401.5
Net-(FL401-Pad12): FL401.12 J401.3
Net-(FL401-Pad13): FL401.13 J401.2
Net-(FL401-Pad14): FL401.14 J401.1
Net-(FL401-Pad16): FL401.16
Net-(IC1301-Pad8): IC1301.8 K1301.4 R1304.1
Net-(IC1302-Pad8): IC1302.8 K1302.4 R1310.1
Net-(J302-Pad4): J302.4
Net-(J303-Pad4): J303.4 RN301.2
Net-(J303-Pad6): J303.6 RN301.3
Net-(J303-Pad8): J303.8 RN301.4
Net-(J303-Pad10): J303.10 R306.1
Net-(J303-Pad12): J303.12
Net-(J303-Pad14): J303.14 R309.2
Net-(J501-Pad1): J501.1 U501.1
Net-(J1102-Pad1): J1102.1 R1106.1
Net-(J1102-Pad2): J1102.2 R1108.2 R1115.2
Net-(J1102-Pad3): J1102.3 R1112.1
Net-(J1104-Pad1): J1104.1 R1133.1
Net-(J1104-Pad2): J1104.2 R1135.2 R1142.2
Net-(J1104-Pad3): J1104.3 R1139.1
Net-(J1106-Pad1): J1106.1 R1150.1
Net-(J1106-Pad2): J1106.2 R1152.2 R1158.2
Net-(J1106-Pad3): J1106.3 R1154.1
Net-(J1107-Pad2): J1107.2 R1160.2
Net-(J1108-Pad1): J1108.1 R1161.1
Net-(J1108-Pad2): J1108.2 R1163.2 R1168.2
Net-(J1108-Pad3): J1108.3 R1165.1
Net-(J1109-Pad2): J1109.2 R1170.2
Net-(J1110-Pad1): J1110.1 R1171.1
Net-(J1110-Pad2): J1110.2 R1173.2 R1178.2
Net-(J1110-Pad3): J1110.3 R1175.1
Net-(J1401-PadMP1): J1401.MP1
Net-(J1401-PadMP2): J1401.MP2
Net-(J1402-PadMP1): J1402.MP1
Net-(J1402-PadMP2): J1402.MP2
Net-(JP1601-Pad2): JP1601.2 R1609.1 U1603.8
Net-(K1301-Pad2): K1301.2 R1302.1
Net-(K1302-Pad2): K1302.2 R1309.1
Net-(LED901-Pad1): LED901.1 U901.7
Net-(LED902-Pad1): LED902.1 U901.5
Net-(LED903-Pad1): LED903.1 U901.1
Net-(LED904-Pad1): LED904.1 U901.3
Net-(LED905-Pad1): LED905.1 U902.7
Net-(LED906-Pad1): LED906.1 U902.5
Net-(LED907-Pad1): LED907.1 U902.1
Net-(LED908-Pad1): LED908.1 U902.3
Net-(LED909-Pad1): LED909.1 U903.7
Net-(LED910-Pad1): LED910.1 U903.5
Net-(LED911-Pad1): LED911.1 U903.3
Net-(LED1701-Pad1): LED1701.1 Q1702.3
Net-(LED1701-Pad2): LED1701.2 R1704.2
Net-(PS201-Pad1): PS201.1
Net-(PS201-Pad5): PS201.5
Net-(Q1701-Pad1): Q1701.1 R1706.1
Net-(Q1702-Pad1): Q1702.1 R1707.1
Net-(Q1703-Pad1): Q1703.1 R1708.1
Net-(Q1705-Pad1): Q1705.1 R1712.1
Net-(Q1706-Pad1): Q1706.1 R1713.1
Net-(R206-Pad1): R206.1 U201.3
Net-(R207-Pad1): R207.1 U201.5
Net-(R208-Pad1): R208.1 U201.6 Z201.1
Net-(R307-Pad2): R307.2 U303.2
Net-(R807-Pad1): R807.1 U801.4
Net-(R808-Pad1): R808.1 U802.4
Net-(R902-Pad1): R902.1 U901.8
Net-(R903-Pad1): R903.1 U901.6
Net-(R906-Pad1): R906.1 U901.2
Net-(R907-Pad1): R907.1 U901.4
Net-(R910-Pad1): R910.1 U902.8
Net-(R911-Pad1): R911.1 U902.6
Net-(R914-Pad1): R914.1 U902.2
Net-(R915-Pad1): R915.1 U902.4
Net-(R918-Pad1): R918.1 U903.8
Net-(R919-Pad1): R919.1 U903.6
Net-(R922-Pad1): R922.1 U903.4
Net-(R923-Pad1): R923.1 U903.2
Net-(R924-Pad2): R924.2 U903.16
Net-(R1001-Pad2): R1001.2 R1002.2
Net-(R1003-Pad1): R1003.1 U1001.5
Net-(R1005-Pad2): R1005.2 U1001.6
Net-(R1101-Pad1): R1101.1 R1102.2 R1103.2
Net-(R1104-Pad1): R1104.1 R1105.2
Net-(R1110-Pad1): R1110.1 R1111.2 R1113.2
Net-(R1116-Pad1): R1116.1 R1117.2
Net-(R1120-Pad1): R1120.1 R1121.2
Net-(R1123-Pad1): R1123.1 R1124.2
Net-(R1126-Pad1): R1126.1 R1127.2
Net-(R1128-Pad1): R1128.1 R1129.2 R1130.2
Net-(R1131-Pad1): R1131.1 R1132.2
Net-(R1137-Pad1): R1137.1 R1138.2 R1140.2
Net-(R1143-Pad1): R1143.1 R1144.2
Net-(R1147-Pad1): R1147.1 R1148.2
Net-(R1155-Pad1): R1155.1 R1156.2
Net-(R1161-Pad2): R1161.2 R1165.2 U1103.6 U1103.7
Net-(R1171-Pad2): R1171.2 R1175.2 U1103.1 U1103.2
Net-(R1201-Pad1): R1201.1 U1201.1
Net-(R1202-Pad1): R1202.1 U1201.2
Net-(R1203-Pad1): R1203.1 U1201.3
Net-(R1204-Pad1): R1204.1 U1201.5
Net-(R1205-Pad1): R1205.1 U1201.6
Net-(R1207-Pad1): R1207.1 U1201.4 Z1201.1
Net-(R1209-Pad1): R1209.1 U1202.1
Net-(R1210-Pad1): R1210.1 U1202.2
Net-(R1211-Pad1): R1211.1 U1202.3
Net-(R1212-Pad1): R1212.1 U1202.5
Net-(R1213-Pad1): R1213.1 U1202.6
Net-(R1214-Pad1): R1214.1 U1203.1
Net-(R1215-Pad1): R1215.1 U1203.2
Net-(R1216-Pad1): R1216.1 U1203.3
Net-(R1217-Pad1): R1217.1 U1202.4 Z1202.1
Net-(R1218-Pad1): R1218.1 U1203.5
Net-(R1219-Pad1): R1219.1 U1203.6
Net-(R1221-Pad1): R1221.1 U1203.4 Z1203.1
Net-(R1301-Pad1): R1301.1 U1301.3
Net-(R1303-Pad1): R1303.1 U1301.5
Net-(R1307-Pad1): R1307.1 U1301.6 Z1301.1
Net-(R1312-Pad1): R1312.1 U1301.4
Net-(R1313-Pad1): R1313.1 U1302.10
Net-(R1509-Pad1): R1509.1 T1501.15
Net-(R1510-Pad1): R1510.1 T1501.10
Net-(R1601-Pad2): R1601.2 R1603.1 U1601.5
Net-(R1602-Pad2): R1602.2 R1604.1 U1602.5
Net-(R1605-Pad1): R1605.1 U1601.2
Net-(R1606-Pad1): R1606.1 U1602.2
Net-(R1607-Pad2): R1607.2 R1608.1 U1603.1
Net-(R1701-Pad2): R1701.2 U1701.JX2.8
Net-(RN301-Pad1): RN301.1
Net-(RN301-Pad8): RN301.8
Net-(T201-Pad4): T201.4
Net-(T201-Pad5): T201.5
Net-(T201-Pad12): T201.12
Net-(T201-Pad13): T201.13
Net-(T1501-Pad4): T1501.4
Net-(T1501-Pad5): T1501.5
Net-(T1501-Pad12): T1501.12
Net-(T1501-Pad13): T1501.13
Net-(U201-Pad1): U201.1
Net-(U201-Pad2): U201.2
Net-(U201-Pad7): U201.7
Net-(U201-Pad8): U201.8
Net-(U201-Pad9): U201.9
Net-(U201-Pad13): U201.13
Net-(U201-Pad14): U201.14
Net-(U302-Pad3): U302.3
Net-(U302-Pad4): U302.4
Net-(U501-Pad2): U501.2
Net-(U501-Pad3): U501.3
Net-(U501-Pad6): U501.6
Net-(U501-Pad7): U501.7 U502.1
Net-(U501-Pad8): U501.8
Net-(U501-Pad13): U501.13
Net-(U501-Pad14): U501.14
Net-(U501-Pad15): U501.15
Net-(U502-Pad3): U502.3
Net-(U502-Pad4): U502.4
Net-(U701-Pad10): U701.10
Net-(U903-Pad1): U903.1
Net-(U1001-Pad1): U1001.1
Net-(U1001-Pad7): U1001.7
Net-(U1101-Pad7): U1101.7
Net-(U1201-Pad7): U1201.7
Net-(U1201-Pad11): U1201.11
Net-(U1202-Pad7): U1202.7
Net-(U1202-Pad11): U1202.11
Net-(U1203-Pad7): U1203.7
Net-(U1203-Pad11): U1203.11
Net-(U1204-Pad1): U1204.1
Net-(U1301-Pad1): U1301.1
Net-(U1301-Pad2): U1301.2
Net-(U1301-Pad7): U1301.7
Net-(U1301-Pad8): U1301.8
Net-(U1301-Pad9): U1301.9
Net-(U1301-Pad13): U1301.13
Net-(U1301-Pad14): U1301.14
Net-(U1501-Pad3): U1501.3
Net-(U1501-Pad4): U1501.4
Net-(U1601-Pad3): U1601.3
Net-(U1603-Pad4): U1603.4
Net-(U1603-Pad6): U1603.6
Net-(U1604-Pad1): U1604.1
Net-(U1701-PadJX1.5): U1701.JX1.5
Net-(U1701-PadJX1.7): U1701.JX1.7
Net-(U1701-PadJX1.42): U1701.JX1.42
Net-(U1701-PadJX1.44): U1701.JX1.44
Net-(U1701-PadJX1.68): U1701.JX1.68
Net-(U1701-PadJX1.70): U1701.JX1.70
Net-(U1701-PadJX1.74): U1701.JX1.74
Net-(U1701-PadJX1.76): U1701.JX1.76
Net-(U1701-PadJX1.82): U1701.JX1.82
Net-(U1701-PadJX1.84): U1701.JX1.84
Net-(U1701-PadJX1.87): U1701.JX1.87
Net-(U1701-PadJX1.88): U1701.JX1.88
Net-(U1701-PadJX1.89): U1701.JX1.89
Net-(U1701-PadJX1.90): U1701.JX1.90
Net-(U1701-PadJX1.91): U1701.JX1.91
Net-(U1701-PadJX1.93): U1701.JX1.93
Net-(U1701-PadJX1.97): U1701.JX1.97
Net-(U1701-PadJX1.98): U1701.JX1.98
Net-(U1701-PadJX1.99): U1701.JX1.99
Net-(U1701-PadJX1.100): U1701.JX1.100
Net-(U1701-PadJX2.9): U1701.JX2.9
Net-(U1701-PadJX2.13): U1701.JX2.13
Net-(U1701-PadJX2.14): U1701.JX2.14
Net-(U1701-PadJX2.30): U1701.JX2.30
Net-(U1701-PadJX2.32): U1701.JX2.32
Net-(U1701-PadJX2.47): U1701.JX2.47
Net-(U1701-PadJX2.48): U1701.JX2.48
Net-(U1701-PadJX2.49): U1701.JX2.49
Net-(U1701-PadJX3.1): U1701.JX3.1
Net-(U1701-PadJX3.2): U1701.JX3.2
Net-(U1701-PadJX3.3): U1701.JX3.3
Net-(U1701-PadJX3.4): U1701.JX3.4
Net-(U1701-PadJX3.5): U1701.JX3.5
Net-(U1701-PadJX3.7): U1701.JX3.7
Net-(U1701-PadJX3.8): U1701.JX3.8
Net-(U1701-PadJX3.9): U1701.JX3.9
Net-(U1701-PadJX3.10): U1701.JX3.10
Net-(U1701-PadJX3.11): U1701.JX3.11
Net-(U1701-PadJX3.13): U1701.JX3.13
Net-(U1701-PadJX3.14): U1701.JX3.14
Net-(U1701-PadJX3.15): U1701.JX3.15
Net-(U1701-PadJX3.16): U1701.JX3.16
Net-(U1701-PadJX3.19): U1701.JX3.19
Net-(U1701-PadJX3.20): U1701.JX3.20
Net-(U1701-PadJX3.21): U1701.JX3.21
Net-(U1701-PadJX3.22): U1701.JX3.22
Net-(U1701-PadJX3.25): U1701.JX3.25
Net-(U1701-PadJX3.26): U1701.JX3.26
Net-(U1701-PadJX3.27): U1701.JX3.27
Net-(U1701-PadJX3.28): U1701.JX3.28
Net-(U1701-PadJX3.30): U1701.JX3.30
Net-(U1701-PadJX3.31): U1701.JX3.31
Net-(U1701-PadJX3.32): U1701.JX3.32
Net-(U1701-PadJX3.33): U1701.JX3.33
Net-(U1701-PadJX3.57): U1701.JX3.57
Net-(U1701-PadJX3.58): U1701.JX3.58
Net-(U1701-PadJX3.59): U1701.JX3.59
Net-(U1701-PadJX3.60): U1701.JX3.60
Net-(U1701-PadJX3.63): U1701.JX3.63
Net-(U1701-PadJX3.67): U1701.JX3.67
Net-(U1701-PadJX3.68): U1701.JX3.68
Net-(U1701-PadJX3.69): U1701.JX3.69
Net-(U1701-PadJX3.70): U1701.JX3.70
Net-(U1701-PadJX3.86): U1701.JX3.86
Net-(U1701-PadJX3.88): U1701.JX3.88
Net-(U1701-PadJX3.91): U1701.JX3.91
Net-(U1701-PadJX3.92): U1701.JX3.92
Net-(U1701-PadJX3.93): U1701.JX3.93
Net-(U1701-PadJX3.94): U1701.JX3.94
Net-(U1701-PadJX3.97): U1701.JX3.97
Net-(U1701-PadJX3.98): U1701.JX3.98
Net-(U1701-PadJX3.99): U1701.JX3.99
Net-(U1701-PadJX3.100): U1701.JX3.100

Pads without a net: REF**#2 1; REF**#3 1; REF**#4 1; REF**#5 1; REF**#6 1

## Via types
v1: diameter 0.8, hole 0.4, Top to Bottom, 1977 vias
